# Altium PCB EVK-NORA-W40.PcbDoc (part 2 of 5)
Units mm, origin at the board's own origin, x right, y up, seen from the top; angles counter-clockwise.
Board outline 100 x 70 mm, 6 copper layers (L1, L2, L3, L4, L5, L6), stack 1.547 mm thick; 404 components, 228 nets, 1172 pads, 1349 vias.
Unrouted connection lines stored in the file: 69.
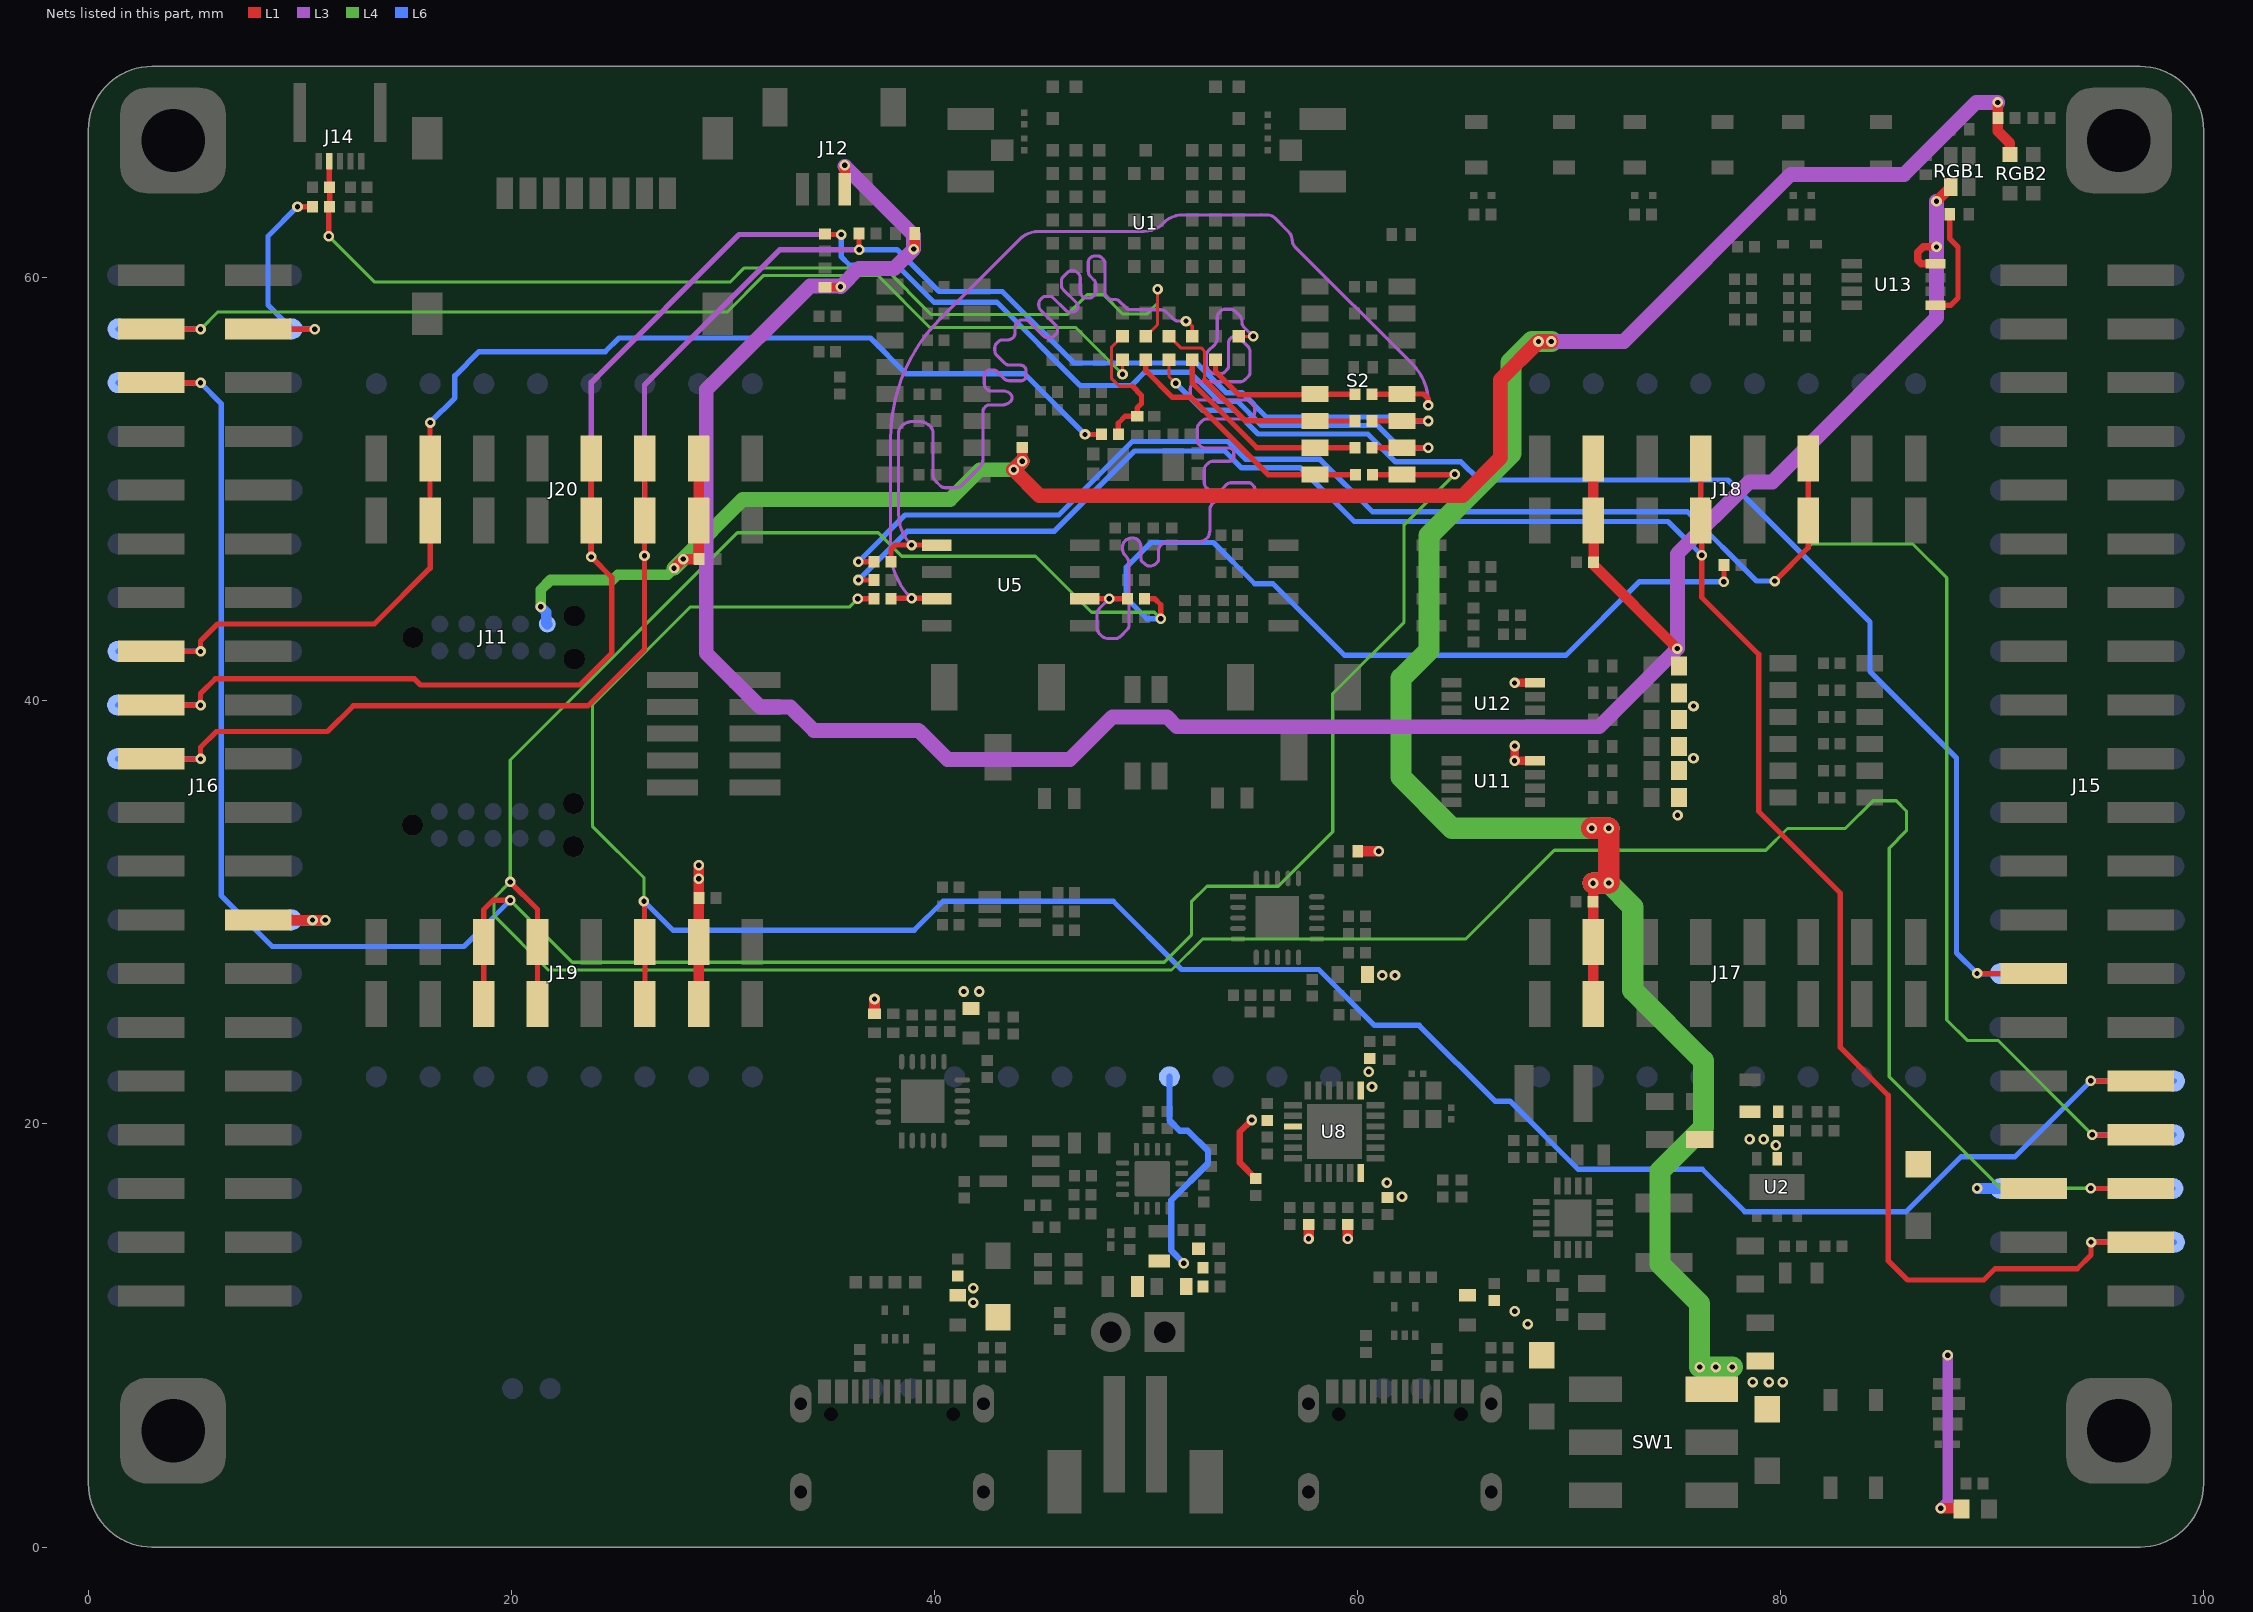
[diagram p6: the nets of this part, all layers, seen from the top]

## Footprints (in the part's own frame and the unit in brackets; to place one, negate y for a bottom-side part, rotate by r counter-clockwise, add the part's x,y. Pads: shape width x height; smd on the part's side, far side on the other; paste and mask are expansions set on the pad) (continued)
SKT-0.1P-SSM-108-L-SV [mm] "Con Socket Strip 0.1\" 8 Pin 1Row SMD, 20.32mm x 2.54mm"
  rect 1.02x2.19 smd: 1(-8.89,-1.465) 1(-8.89,1.465) 2(-6.35,-1.465) 2(-6.35,1.465) 3(-3.81,-1.465) 3(-3.81,1.465) 4(-1.27,1.465) 4(-1.27,-1.465) 5(1.27,1.465) 5(1.27,-1.465) 6(3.81,1.465) 6(3.81,-1.465) 7(6.35,-1.465) 7(6.35,1.465) 8(8.89,-1.465) 8(8.89,1.465)
  silkscreen extent -10.28,-2.25 10.28,1.4, body extent -10.16,-2.29 10.16,2.29, height 7.44
SM04B-SRSS-TB [mm] "CONN HEADER SMD R/A 4POS 1MM"
  rect 0.6x1.55 smd: 1(-1.5,3.875) 2(-0.5,3.875) 3(0.5,3.875) 4(1.5,3.875)
  rect 1.2x1.8 smd: M1(-2.8,0) M2(2.8,0)
  silkscreen extent -2.2,3.7 -2,3.9, body extent -3,-0.69 3,4.26, height 2.96
SOD-123F_U#1 [mm] "SOD-123F, Unidirectional, 2-Leads, Body 1.65x3.60mm, IPC High Density"
  rect 1.25x1.2 smd mask+0: A(1.45,0) C(-1.45,0)
  silkscreen extent -2.52,-0.95 1.43,0.95, body extent -1.45,-0.9 1.45,0.9, height 0.98
SOD-123F_U#2 [mm] "SOD-123F, Unidirectional, 2-Leads, Body 1.65x3.60mm, IPC High Density"
  rect 1.25x1.2 smd mask+0: A(1.45,0)
  rect 1.25x1.2 smd paste+0 mask+0: C(-1.45,0)
  silkscreen extent -2.52,-0.95 1.43,0.95, body extent -1.45,-0.9 1.45,0.9, height 0.98
SOD-923 [mm] "SOD-923, 2-Leads, Body 1.25x2.50mm, IPC High Density,"
  rect 0.36x0.35 smd mask+0.05: 1(-0.42,0) 2(0.42,0)
  silkscreen extent -0.75,-0.25 -0.75,0.25, body extent -0.4,-0.3 0.4,0.3, height 0.4
SODFL1608X65N [mm]
  rect 0.57x0.42 smd: 1(-0.775,0) 2(0.775,0)
  body extent -0.8,-0.4 0.8,0.4, height 0.65
SOIC-8W [mm] "SOIC, 8-Leads, Wide Body 5.28x5.28mm, Pitch 1.27mm, IPC High Density"
  rect 1.4x0.55 smd: 1(-3.5,1.905) 2(-3.5,0.635) 3(-3.5,-0.635) 4(-3.5,-1.905) 5(3.5,-1.905) 6(3.5,-0.635) 7(3.5,0.635) 8(3.5,1.905)
  silkscreen extent -3.62,-2.7 2.4,2.99, body extent -2.7,-2.7 2.7,2.7, height 2.16
SOP65P400X110-8N [mm]
  rect 0.95x0.45 smd: 1(-1.975,0.975) 2(-1.975,0.325) 3(-1.975,-0.325) 4(-1.975,-0.975) 5(1.975,-0.975) 6(1.975,-0.325) 7(1.975,0.325) 8(1.975,0.975)
  silkscreen extent -2.45,-1.5 1.15,1.55, body extent -2.01,-1.5 2.01,1.5, height 0.93
SOT65P210X110-6N [mm]
  rect 1.05x0.4 smd: 1(-0.95,0.65) 2(-0.95,0) 3(-0.95,-0.65) 4(0.95,-0.65) 5(0.95,0) 6(0.95,0.65)
  silkscreen extent -1.48,-1 0.08,1.2, body extent -1.05,-1 1.05,1, height 1.1
SOT-23-5_2 [mm] "SOT-23-5, 1.625mm x 2.9mm"
  rect 1.3x0.55 smd: 1(-1.25,0.95) 2(-1.25,0) 4(1.25,-0.95)
  rect 1.3x0.55 smd mask+0: 3(-1.25,-0.95) 5(1.25,0.95)
  silkscreen extent -1.71,1.39 -1.69,1.41, body extent -1.4,-1.45 1.4,1.45, height 1.45
SOT-553 [mm] "SOT-553, 5 lead 0.50mm pitch, 1.3mm x 1.7mm"
  rect 0.45x0.3 smd mask+0.05: 1(-0.675,0.5) 2(-0.675,0) 3(-0.675,-0.5) 4(0.675,-0.5) 5(0.675,0.5)
  silkscreen extent -0.92,-0.85 0.3,1.17, body extent -0.68,-0.85 0.67,0.85, height 0.6
SW_Slide_DPDT_JS202011SCQN [mm] "SWITCH SLIDE DPDT 300MA 6V SMD"
  rect 1.2x2.5 smd paste+0 mask+0: 1(-2.5,-2.75)
  rect 1.2x2.5 smd mask+0: 2(0,-2.75) 4(-2.5,2.75) 5(0,2.75)
  rect 1.2x2.5 smd: 3(2.5,-2.75) 6(2.5,2.75)
  silkscreen extent -4.5,-2.46 4.5,1.8, body extent -4.52,-3.75 4.52,3.75, height 5.5
TC2050-IDC-NL [mm] "CON PADS FOR CBL PLUG-OF-NAILS 10-PIN NO LEGS"
  round 0.8 smd paste-0.9: 1(0,0) 2(1.27,0) 3(2.54,0) 4(3.81,0) 5(5.08,0) 6(5.08,1.27) 7(3.81,1.27) 8(2.54,1.27) 9(1.27,1.27) 10(0,1.27)
  round 1 hole 1 paste-1.1: A(-1.27,0.635) B(6.35,-0.381) C(6.35,1.651)
  L1 pour cut-out: 0,1.27 5.08,1.27 5.08,0 0,0
TP10R#1 [mm] "Testpoint, Round 1.0mm Dia"
  round 1 smd paste-0.5: 1(0,0)
  silkscreen extent -0.7,-0.7 0.7,0.7, body extent -0.5,-0.5 0.5,0.5, height 0.05
TP10R#2 [mm] "Testpoint, Round 1.0mm Dia"
  round 1 smd paste-0.5: 1(0,0.025)
  silkscreen extent -0.7,-0.7 0.7,0.7, body extent -0.5,-0.5 0.5,0.5, height 0.05
TP10R#3 [mm] "Testpoint, Round 1.0mm Dia"
  round 1 smd paste-0.5: 1(0.012,-0.025)
  silkscreen extent -0.7,-0.7 0.7,0.7, body extent -0.5,-0.5 0.5,0.5, height 0.05
TP10R#4 [mm] "Testpoint, Round 1.0mm Dia"
  round 1 smd paste-0.5: 1(-0.032,0.025)
  silkscreen extent -0.7,-0.7 0.7,0.7, body extent -0.5,-0.5 0.5,0.5, height 0.05
TP10R#5 [mm] "Testpoint, Round 1.0mm Dia"
  round 1 smd paste-0.5: 1(0.024,-0.025)
  silkscreen extent -0.7,-0.7 0.7,0.7, body extent -0.5,-0.5 0.5,0.5, height 0.05
TP10R#6 [mm] "Testpoint, Round 1.0mm Dia"
  round 1 smd paste-0.5: 1(0.058,0.025)
  silkscreen extent -0.7,-0.7 0.7,0.7, body extent -0.5,-0.5 0.5,0.5, height 0.05
TP10R#7 [mm] "Testpoint, Round 1.0mm Dia"
  round 1 smd paste-0.5: 1(0.005,-0.025)
  silkscreen extent -0.7,-0.7 0.7,0.7, body extent -0.5,-0.5 0.5,0.5, height 0.05
TP10R#8 [mm] "Testpoint, Round 1.0mm Dia"
  round 1 smd paste-0.5: 1(0.034,-0.003)
  silkscreen extent -0.7,-0.7 0.7,0.7, body extent -0.5,-0.5 0.5,0.5, height 0.05
TP10R#9 [mm] "Testpoint, Round 1.0mm Dia"
  round 1 smd paste-0.5: 1(-0.064,0.025)
  silkscreen extent -0.7,-0.7 0.7,0.7, body extent -0.5,-0.5 0.5,0.5, height 0.05
TP10R#10 [mm] "Testpoint, Round 1.0mm Dia"
  round 1 smd paste-0.5: 1(-0.068,0.025)
  silkscreen extent -0.7,-0.7 0.7,0.7, body extent -0.5,-0.5 0.5,0.5, height 0.05
TP10R#11 [mm] "Testpoint, Round 1.0mm Dia"
  round 1 smd paste-0.5: 1(0.008,-0.054)
  silkscreen extent -0.7,-0.7 0.7,0.7, body extent -0.5,-0.5 0.5,0.5, height 0.05
TP10R#12 [mm] "Testpoint, Round 1.0mm Dia"
  round 1 smd paste-0.5: 1(-0.03,0)
  silkscreen extent -0.7,-0.7 0.7,0.7, body extent -0.5,-0.5 0.5,0.5, height 0.05
TP10R#13 [mm] "Testpoint, Round 1.0mm Dia"
  round 1 smd paste-0.5: 1(0.044,0.025)
  silkscreen extent -0.7,-0.7 0.7,0.7, body extent -0.5,-0.5 0.5,0.5, height 0.05
TP10R#14 [mm] "Testpoint, Round 1.0mm Dia"
  round 1 smd paste-0.5: 1(-0.025,0.025)
  silkscreen extent -0.7,-0.7 0.7,0.7, body extent -0.5,-0.5 0.5,0.5, height 0.05
TP10R#15 [mm] "Testpoint, Round 1.0mm Dia"
  round 1 smd paste-0.5: 1(0.034,0.003)
  silkscreen extent -0.7,-0.7 0.7,0.7, body extent -0.5,-0.5 0.5,0.5, height 0.05
TP10R#16 [mm] "Testpoint, Round 1.0mm Dia"
  round 1 smd paste-0.5: 1(0.005,0.025)
  silkscreen extent -0.7,-0.7 0.7,0.7, body extent -0.5,-0.5 0.5,0.5, height 0.05
TP10R#17 [mm] "Testpoint, Round 1.0mm Dia"
  round 1 smd paste-0.5: 1(-0.003,0.025)
  silkscreen extent -0.7,-0.7 0.7,0.7, body extent -0.5,-0.5 0.5,0.5, height 0.05
TP10R#18 [mm] "Testpoint, Round 1.0mm Dia"
  round 1 smd paste-0.5: 1(-0.017,-0.027)
  silkscreen extent -0.7,-0.7 0.7,0.7, body extent -0.5,-0.5 0.5,0.5, height 0.05
TP10R#19 [mm] "Testpoint, Round 1.0mm Dia"
  round 1 smd paste-0.5: 1(0.069,0.025)
  silkscreen extent -0.7,-0.7 0.7,0.7, body extent -0.5,-0.5 0.5,0.5, height 0.05
TP10R#20 [mm] "Testpoint, Round 1.0mm Dia"
  round 1 smd paste-0.5: 1(-0.001,-0.034)
  silkscreen extent -0.7,-0.7 0.7,0.7, body extent -0.5,-0.5 0.5,0.5, height 0.05
TP10R#21 [mm] "Testpoint, Round 1.0mm Dia"
  round 1 smd paste-0.5: 1(-0.025,0.045)
  silkscreen extent -0.7,-0.7 0.7,0.7, body extent -0.5,-0.5 0.5,0.5, height 0.05
TP10R#22 [mm] "Testpoint, Round 1.0mm Dia"
  round 1 smd paste-0.5: 1(-0.025,0)
  silkscreen extent -0.7,-0.7 0.7,0.7, body extent -0.5,-0.5 0.5,0.5, height 0.05
TP10R#23 [mm] "Testpoint, Round 1.0mm Dia"
  round 1 smd paste-0.5: 1(0.025,-0.034)
  silkscreen extent -0.7,-0.7 0.7,0.7, body extent -0.5,-0.5 0.5,0.5, height 0.05
TP10R#24 [mm] "Testpoint, Round 1.0mm Dia"
  round 1 smd paste-0.5: 1(-0.025,-0.004)
  silkscreen extent -0.7,-0.7 0.7,0.7, body extent -0.5,-0.5 0.5,0.5, height 0.05
TP10R#25 [mm] "Testpoint, Round 1.0mm Dia"
  round 1 smd paste-0.5: 1(0,-0.025)
  silkscreen extent -0.7,-0.7 0.7,0.7, body extent -0.5,-0.5 0.5,0.5, height 0.05
U.FL_3Pin [mm] "U.FL Coax Jack, 50 ohm, 3 Pins, 3mm x 3.1mm"
  rect 1x1.05 smd: 1(0,-1.5)
  rect 1.05x2.2 smd: 2(-1.475,0) 2(1.475,0)
  body extent -1.5,-1.55 1.5,1.55, height 1.24
USB4105-GF-A [mm] "USB-C (USB TYPE-C) USB 2.0 Receptacle Connector 24 (16+8 Dummy) Position Surface Mount, Right Angle; Through Hole"
  rrect10% 0.6x1.15 smd paste+0 mask+0: A1B12(-3.2,4.755) A4B9(-2.4,4.755) B1A12(3.2,4.755) B4A9(2.4,4.755)
  rrect10% 0.3x1.15 smd paste+0 mask+0.05: A5(-1.25,4.755) A6(-0.25,4.755) A7(0.25,4.755) A8(1.25,4.755) B5(1.75,4.755) B6(0.75,4.755) B7(-0.75,4.755) B8(-1.75,4.755)
  round 0 hole 0.65 unplated: MH1(-2.89,3.68) MH2(2.89,3.68)
  oval 1x1.8 hole 0.6 slot 1.4 at 90 deg paste+0 mask+0.05: SHLD(-4.32,0) SHLD(-4.32,4.18) SHLD(4.32,0) SHLD(4.32,4.18)
  silkscreen extent -4.5,1.1 4.5,3.1, body extent -4.47,-2.6 4.47,5.1, height 3.27
XTAL_2016_HD [mm] "Crystal, 4 lead, 2.0mm x 1.6mm, High Density"
  rect 0.85x0.75 smd: 1(-0.675,-0.525) 2(0.675,-0.525) 3(0.675,0.525) 4(-0.675,0.525)
  silkscreen extent -1.25,-1.05 -0.95,-0.75, body extent -1,-0.8 1,0.8, height 0.7
XTAL_3215 [mm] "XTAL, 2-Leads, Body 1.50x3.20mm"
  rect 1x1.55 smd: 1(-1.3,0) 2(1.3,0)
  silkscreen extent -1.7,0.98 -1.6,1.07, body extent -1.65,-0.8 1.65,0.8, height 0.9

## Part data
C1 C2: library part UBXH01-0004011, "CAP CER C0G 0402 5P6 +/-0.25P 25V", Manufacturer="Murata Manufacturing Company, Ltd.", Manufacturer P/N=GRM1555C1H5R6CZ01, Manufacturer P/N 2=GRM1555C1E5R6CZ01, Max Voltage=25V, Tolerance=+/-0.25P, Editor=roland.rust, Env=ROHS, Manufacturer 2="Murata Manufacturing Company, Ltd.", Mfg P/N Released=Obsolete, Mfg P/N Released 2=Obsolete, Mfg P/N Split=0, Mfg P/N Split 2=0, Mfg P/N Status=Obsolete, Mfg P/N Status 2=Obsolete, Part Number=UBXH01-0004011, Part Type=Capacitor, Perferred=PREF, Permitted Use="Volume Products", RefDes=C, Release Data=2007-10-22T12:46:36, Released by=roland.rust, Size=0402, UBX Wiki=https://wiki.u-blox.com/bin/view/Operations/PartDetails?index=5160
C3 C8: library part UBXH01-0012002, "CAP CER C0G 0201 1P5 +/-0.25P 25V", Manufacturer="Murata Manufacturing Company, Ltd.", Manufacturer P/N=GRM0335C1E1R5CA01, Manufacturer P/N 2=GRM0335C1E1R5C, Max Voltage=25V, Tolerance=+/-0.25P, Editor=roland.rust, Env=ROHS, Manufacturer 2="Murata Manufacturing Company, Ltd.", Mfg P/N Released=Yes, Mfg P/N Released 2=Obsolete, Mfg P/N Split=100, Mfg P/N Split 2=0, Mfg P/N Status=Active, Mfg P/N Status 2=Active, Part Number=UBXH01-0012002, Part Type=Capacitor, Perferred=PREF, Permitted Use="Volume Products", RefDes=C, Release Data=2009-03-23T10:34:14, Released by=roland.rust, Size=0201, UBX Wiki=https://wiki.u-blox.com/bin/view/Operations/PartDetails?index=5072
C4 C6 C14 C15 C20 C24 C30 C32 C36 C37 C39 C40 C41 C42 C48 C49 C50 C51 C52 C53 C54: library part 120-00016, "Cap, Ceramic 0.1uF 10V 10% X5R 0402", Manufacturer="Murata Electronics North America", Manufacturer 2=Yageo, Manufacturer P/N=GRM155R61A104KA01J, Manufacturer P/N 2=CC0402KRX5R6BB104, Part Name="CAP CER 0.1UF 10V 10% X5R 0402", Supplier Part Number 1=490-6297-1-ND, Temperature Coefficient=X5R, Tolerance="+/- 10%", Voltage=10V, Arena Link=https://app.bom.com/a/GYHPV2L2L43KRMBK?v=spec.summary, Component Mounting Type=SMT, Height=0.55mm, Item_Phase=Production, Part Number=120-00016, Part_Type="Ceramic Capacitor", Pins=2, Revision=0A, Size=0402, Supplier 1=Digi-Key, Supplier 2=Digi-Key, Supplier Part Number 2=311-1336-1-ND, Use in new designs=Yes
C5 C7 C21 C22 C23 C28 C31 C33 C38 C43: library part UBXH01-0000243, "CAP CER X5R 0402 4U7 20% 10V", Manufacturer="Murata Manufacturing Company, Ltd.", Manufacturer P/N=GRM155R61A475MEAA, Max Operating Temp=85°C, Max Voltage=10V, Min Operating Temp=-40°C, Tolerance=20%, Editor=martin.pilik, Env=GREEN, Mfg P/N Datasheet=https://wiki.u-blox.com/bin/view/Generic/Docs/DocumentSummary?index=24302, Mfg P/N Released=Yes, Mfg P/N Split=100, Mfg P/N Status=Active, Part Number=UBXH01-0000243, Part Type=Capacitor, Perferred=PREF, Permitted Use="Volume Products", RefDes=C, Released by=fabrice.bret-dibat, Size=0402, UBX Wiki=https://wiki.u-blox.com/bin/view/Operations/PartDetails?index=24303
  C5 C7 C31 C33 C38 C43: Release Data="2021-05-10 12:57:47.325652"
  C21 C22 C23 C28: Release Data=2021-05-10T12:57:47
C9 C25: library part UBXH01-2021002, "CAP CER X5R 0402 100N 10% 10V", Manufacturer="Murata Manufacturing Company, Ltd.", Manufacturer 2="Samsung Electro-Mechanics", Manufacturer P/N=GRM155R61A104KA01, Manufacturer P/N 2=CL05A104KP5NNN, Max Voltage=10V, Tolerance=10%, Editor=roland.rust, Env=GREEN, Mfg P/N Datasheet 2=https://wiki.u-blox.com/bin/view/Generic/Docs/DocumentSummary?index=28113, Mfg P/N Released=Yes, Mfg P/N Released 2=Yes, Mfg P/N Split=100, Mfg P/N Split 2=0, Mfg P/N Status=NRND, Mfg P/N Status 2=Active, Part Number=UBXH01-2021002, Part Type=Capacitor, Perferred=PREF, Permitted Use="Volume Products", RefDes=C, Release Data=2005-07-22T13:59:44, Released by=roland.rust, Size=0402, UBX Wiki=https://wiki.u-blox.com/bin/view/Operations/PartDetails?index=5759
C10 C11 C27: library part UBXH01-0004017, "CAP CER C0G 0402 18P 5% 25V", Manufacturer="Murata Manufacturing Company, Ltd.", Manufacturer P/N=GRM1555C1H180JA01, Manufacturer P/N 2=GRM1555C1E180JZ01, Manufacturer P/N 3=GRM1555C1H180JZ01, Max Operating Temp=125°C, Max Voltage=25V, Min Operating Temp=-55°C, Tolerance=5%, Editor=doris.zahnd, Env=ROHS, Manufacturer 2="Murata Manufacturing Company, Ltd.", Manufacturer 3="Murata Manufacturing Company, Ltd.", Mfg P/N Released=Yes, Mfg P/N Released 2=Yes, Mfg P/N Released 3=Yes, Mfg P/N Split=100, Mfg P/N Split 2=0, Mfg P/N Split 3=0, Mfg P/N Status=NRND, Mfg P/N Status 2=Obsolete, Mfg P/N Status 3=Obsolete, Part Number=UBXH01-0004017, Part Type=Capacitor, Perferred=PREF, Permitted Use="Volume Products", RefDes=C, Release Data=2009-12-03T17:48:42, Released by=daniel.hurni, Size=0402, UBX Wiki=https://wiki.u-blox.com/bin/view/Operations/PartDetails?index=5178
C12 C13: library part UBXH01-0000310, "CAP CER X7R 0603 10U 20% 10V", Manufacturer="Murata Manufacturing Company, Ltd.", Manufacturer P/N=GRM188Z71A106MA73, Manufacturer P/N 2=GRM188Z71A106KA73, Max Operating Temp=125°C, Max Voltage=10V, Min Operating Temp=-55°C, Tolerance=20%, Editor=michael.hein, Env=ROHS, Manufacturer 2="Murata Manufacturing Company, Ltd.", Mfg P/N Datasheet=https://wiki.u-blox.com/bin/view/Generic/Docs/DocumentSummary?index=26282, Mfg P/N Datasheet 2=https://wiki.u-blox.com/bin/view/Generic/Docs/DocumentSummary?index=28416, Mfg P/N Released=Yes, Mfg P/N Released 2=Yes, Mfg P/N Split=100, Mfg P/N Split 2=0, Mfg P/N Status=Active, Mfg P/N Status 2=Active, Part Number=UBXH01-0000310, Part Type=Capacitor, Perferred=PREF, Permitted Use="Volume Products", RefDes=C, Release Data=2017-02-09T11:14:05, Released by=martin.grasse, Size=0603, UBX Wiki=https://wiki.u-blox.com/bin/view/Operations/PartDetails?index=26280
C16: library part UBXH01-3001005, "CAP CER X5R 1210 22U 10% 25V", Manufacturer="Murata Manufacturing Company, Ltd.", Manufacturer P/N=GRM32ER61E226KE15, Max Voltage=25V, Tolerance=10%, Editor=roland.rust, Env=ROHS, Mfg P/N Released=Yes, Mfg P/N Split=100, Mfg P/N Status=NRND, Part Number=UBXH01-3001005, Part Type=Capacitor, Perferred=PREF, Permitted Use="Volume Products", RefDes=C, Release Data=2009-04-24T15:51:56, Released by=roland.rust, Size=1210, UBX Wiki=https://wiki.u-blox.com/bin/view/Operations/PartDetails?index=5780
C17: library part UBXH01-3001004, "CAP CER X5R 1210 10U 10% 25V", Manufacturer="Murata Manufacturing Company, Ltd.", Manufacturer P/N=GRM32DR61E106KA12, Max Voltage=25V, Tolerance=10%, Editor=andreas.thiel, Env=ROHS, Mfg P/N Datasheet=https://wiki.u-blox.com/bin/view/Generic/Docs/DocumentSummary?index=8644, Mfg P/N Released=Yes, Mfg P/N Split=100, Mfg P/N Status=NRND, Part Number=UBXH01-3001004, Part Type=Capacitor, Perferred=NONPREF, Permitted Use="Volume Products", RefDes=C, Release Data=2010-04-01T16:00:35, Released by=johann.furrer, Size=1210, UBX Wiki=https://wiki.u-blox.com/bin/view/Operations/PartDetails?index=5778
C18: library part UBXH01-0000204, "CAP CER X5R 0402 100N 10% 50V", Manufacturer="Murata Manufacturing Company, Ltd.", Manufacturer P/N=GRM155R61H104KE14D, Max Voltage=50V, Tolerance=10%, Editor=matej.budin, Env=ROHS, Mfg P/N Datasheet=https://wiki.u-blox.com/bin/view/Generic/Docs/DocumentSummary?index=22969, Mfg P/N Released=Yes, Mfg P/N Split=100, Mfg P/N Status=Active, Part Number=UBXH01-0000204, Part Type=Capacitor, Perferred=PREF, Permitted Use="Support Products", RefDes=C, Release Data=2015-08-06T11:12:34, Released by=erian.bezhani, Size=0402, UBX Wiki=https://wiki.u-blox.com/bin/view/Operations/PartDetails?index=22967
C19: library part UBXH01-0023019, "CAP CER X7R 0402 3N3 10% 16V", Manufacturer="Murata Manufacturing Company, Ltd.", Manufacturer P/N=GRM155R71H332KA01, Max Voltage=16V, Tolerance=10%, Editor=dario.antonaz, Env=ROHS, Mfg P/N Datasheet=https://wiki.u-blox.com/bin/view/Generic/Docs/DocumentSummary?index=19430, Mfg P/N Released=Yes, Mfg P/N Split=100, Mfg P/N Status=NRND, Part Number=UBXH01-0023019, Part Type=Capacitor, Perferred=PREF, Permitted Use="Volume Products", RefDes=C, Release Data=2013-08-21T12:21:41, Released by=pierpaolo.arban, Size=0402, UBX Wiki=https://wiki.u-blox.com/bin/view/Operations/PartDetails?index=5479
C26: library part UBXH01-0004024, "CAP CER C0G 0402 68P 5% 25V", Manufacturer="Murata Manufacturing Company, Ltd.", Manufacturer P/N=GRM1555C1H680JA01, Manufacturer P/N 2=GRM1555C1E680F, Manufacturer P/N 3=GRM1555C1H680F, Max Voltage=25V, Tolerance=5%, Editor=martin.frauchiger, Env=ROHS, Manufacturer 2="Murata Manufacturing Company, Ltd.", Manufacturer 3="Murata Manufacturing Company, Ltd.", Mfg P/N Datasheet=https://wiki.u-blox.com/bin/view/Generic/Docs/DocumentSummary?index=19268, Mfg P/N Released=Yes, Mfg P/N Released 2=Yes, Mfg P/N Released 3=Yes, Mfg P/N Split=100, Mfg P/N Split 2=0, Mfg P/N Split 3=0, Mfg P/N Status=NRND, Mfg P/N Status 2=NRND, Mfg P/N Status 3=NRND, Part Number=UBXH01-0004024, Part Type=Capacitor, Perferred=PREF, Permitted Use="Volume Products", RefDes=C, Release Data=2005-09-01T15:36:53, Released by=martin.frauchiger, Size=0402, UBX Wiki=https://wiki.u-blox.com/bin/view/Operations/PartDetails?index=5199
C29: library part UBXH01-0023025, "CAP CER X7R 0402 10N 10% 16V", Manufacturer="Murata Manufacturing Company, Ltd.", Manufacturer 2="Samsung Electro-Mechanics", Manufacturer P/N=GRM155R71C103KA01, Manufacturer P/N 2=CL05B103KO5NNNC, Max Operating Temp=125°C, Max Voltage=16V, Min Operating Temp=-55°C, Tolerance=10%, Editor=roland.rust, Env=ROHS, Mfg P/N Datasheet 2=https://wiki.u-blox.com/bin/view/Generic/Docs/DocumentSummary?index=28567, Mfg P/N Released=Yes, Mfg P/N Released 2=Yes, Mfg P/N Split=100, Mfg P/N Split 2=0, Mfg P/N Status=NRND, Mfg P/N Status 2=Active, Part Number=UBXH01-0023025, Part Type=Capacitor, Perferred=PREF, Permitted Use="Volume Products", RefDes=C, Release Data=2021-02-16T13:14:11, Released by=anthony.gergis, Size=0402, UBX Wiki=https://wiki.u-blox.com/bin/view/Operations/PartDetails?index=5491
C34 C35: library part UBXH01-0000594, "CAP CER C0G 0402 300P 50V", Manufacturer="Murata Manufacturing Company, Ltd.", Manufacturer P/N=GRM1555C1H301JA01D, Max Operating Temp=125°C, Max Voltage=50V, Min Operating Temp=-55°C, Editor=eric.moog, Env=ROHS, Mfg P/N Released=No, Mfg P/N Split=100, Mfg P/N Status=Active, Part Number=UBXH01-0000594, Part Type=Capacitor, Perferred=PREF, Permitted Use="Volume Products", RefDes=C, Size=0402, UBX Wiki=https://wiki.u-blox.com/bin/view/Operations/PartDetails?index=38856
C44 C45 C55 C56: library part UBXH01-0000248, "CAP CER X5R 0402 1U 10% 10V", Manufacturer="Murata Manufacturing Company, Ltd.", Manufacturer 2="TDK Corporation", Manufacturer 3="Samsung Electro-Mechanics", Manufacturer P/N=GRM155R61C105KA12, Manufacturer P/N 2=C1005X5R1E105K050BC, Manufacturer P/N 3=CL05A105KA5NQNC, Max Operating Temp=85°C, Max Voltage=10V, Min Operating Temp=-40°C, Tolerance=10%, Editor=michael.hein, Env=ROHS, Mfg P/N Datasheet=https://wiki.u-blox.com/bin/view/Generic/Docs/DocumentSummary?index=29581, Mfg P/N Datasheet 2=https://wiki.u-blox.com/bin/view/Generic/Docs/DocumentSummary?index=28058, Mfg P/N Datasheet 3=https://wiki.u-blox.com/bin/view/Generic/Docs/DocumentSummary?index=28056, Mfg P/N Released=Yes, Mfg P/N Released 2=Yes, Mfg P/N Released 3=Yes, Mfg P/N Split=100, Mfg P/N Split 2=0, Mfg P/N Split 3=0, Mfg P/N Status=Active, Mfg P/N Status 2=Active, Mfg P/N Status 3=Active, Part Number=UBXH01-0000248, Part Type=Capacitor, Perferred=PREF, Permitted Use="Volume Products", RefDes=C, Release Data=2016-03-16T11:26:35, Released by=igor.shevchenko, Size=0402, UBX Wiki=https://wiki.u-blox.com/bin/view/Operations/PartDetails?index=24378
C46 C47: library part UBXH01-0013002, "CAP CER C0G 0201 8P2 +/-0.5P 25V", Manufacturer="Murata Manufacturing Company, Ltd.", Manufacturer P/N=GRM0335C1E8R2DA01, Manufacturer P/N 2=GRM0335C1E8R2D, Max Voltage=25V, Tolerance=+/-0.5P, Editor=roland.rust, Env=ROHS, Manufacturer 2="Murata Manufacturing Company, Ltd.", Mfg P/N Released=Yes, Mfg P/N Released 2=Obsolete, Mfg P/N Split=100, Mfg P/N Split 2=0, Mfg P/N Status=Active, Mfg P/N Status 2=Active, Part Number=UBXH01-0013002, Part Type=Capacitor, Perferred=PREF, Permitted Use="Volume Products", RefDes=C, Release Data=2009-03-23T10:34:14, Released by=roland.rust, Size=0201, UBX Wiki=https://wiki.u-blox.com/bin/view/Operations/PartDetails?index=5090
D2 D3 D6 D21: "Diode, Schottky, 20V 1A SOD-123F, 340mV Vf @ 1A / MBR120VLSFT3G", Current=1A, Manufacturer 1="ON Semiconductor", Manufacturer 2=None, Manufacturer Part Number 1=MBR120VLSFT3G, Max Operating Temp=125, MFG Package=SOD-123FL, Min Operating Temp=-65, Part Name="Diode Schottky 20V 1A SOD-123FL", Supplier Part Number 1=MBR120VLSFT3GOSCT-ND, Voltage=20V, Body Size=None, Height=0.98mm, Item Phase="In Production", Manufacturer Part Number 2=None, Part Number=110-00005, Pins=2, Revision=0B, Supplier 1=Digi-Key, Supplier 2=None, Supplier Part Number 2=None, UBX Code=None, Use in new designs=Yes
D4 D7: "LOW-CAPACITANCE 3-CHANNEL ESD-PROTECTION ARRAY", Manufacturer="Texas Instruments", Manufacturer P/N=TPD3E001DRLR, MFG Package=SOT-553, Package Type=SOT, Part Name="TVS Diode, 3CH High Speed ESD", Supplier Part Number 1=296-21885-1-ND, Voltage=5V, Arena Link=https://app.bom.com/a/UCV39GZGZIHX50AE?v=spec.summary, Body Size="1.6mm x 1.2mm", Component Mounting Type=SMT, Diode Type=TVS, Height=.55mm, Item_Phase=Production, Part Number=110-00018, Part_Type=Diode, Pins=5, Revision=0A, Supplier 1=Digi-Key, Use in new designs=Yes
D5: "IDEAL DIODE OR CONTROLLER SOURCE SELECTOR SWITCH P-CHANNEL 1:1 SOT-23-5 5.5V 1A", Current=1.0A, Manufacturer=Maxim, Manufacturer P/N=MAX40203AUK+T, Max Current=1A, Max Voltage=5.5V, MFG Package=SOT-23-5, Part Name="IC IDEAL DIODE LDO 1.2-5.5V 1.0A SOT-23-5", Supplier Part Number 1=175-MAX40203AUK+TTR-ND, Body Size="2.8mm x 2.9mm", Component Mounting Type=SMT, Editor=eric.moog, Env=ROHS, Height=1.25, HelpURL=https://datasheets.maximintegrated.com/en/ds/MAX40203.pdf, Item_Phase=Preliminary, Manufacturer 1=Maxim, Manufacturer Part Number 1=MAX40203AUK+T, Mfg P/N Datasheet=https://wiki.u-blox.com/bin/view/Generic/Docs/DocumentSummary?index=38598, Mfg P/N Released=No, Mfg P/N Split=100, Mfg P/N Status=Active, Package Type=SOT-23-5, Part Number=UBXH12-0000539, Part Type=PMIC, Part_Type="Ideal Diode", Perferred=N/A, Permitted Use="Support Products", Pins=5, RefDes=U, SMT Pitch=0.95mm, Supplier 1=Digi-Key, UBX Wiki=https://wiki.u-blox.com/bin/view/Operations/PartDetails?index=38597, Use in new designs=Yes, Voltage=5.5V
D8: "LED", Manufacturer_Name=Lite-On, Mouser Part Number=859-LTST-C195KGJRKT, Arrow Part Number=LTST-C195KGJRKT, Arrow Price/Stock=https://www.arrow.com/en/products/ltst-c195kgjrkt/lite-on-technology?region=nac, Datasheet Link=https://mm.digikey.com/Volume0/opasdata/d220001/medias/docus/1134/LTST-C195KGJRKT.pdf, Height=0.65mm, Manufacturer_Part_Number=LTST-C195KGJRKT, Mouser Price/Stock=https://www.mouser.co.uk/ProductDetail/Lite-On/LTST-C195KGJRKT?qs=ohURClPaJWCkP7ius%252BRMYA%3D%3D
D9 D10 D11 D12: "ESD9B3.3ST5G", Manufacturer="ON Semiconductor", MFG Package=SOD-923, Package Type=SOD, Part Name="Diode TVS 3.3V SOD-923", Supplier Part Number 1=ESD9B3.3ST5GOSCT-ND, Voltage=3.3V, Arena Link=https://app.bom.com/a/4M5DJQ9Q9SR7DV4H?v=spec.summary, Body Size="0.8mm x 0.6mm", Component Mounting Type=SMT, Diode Type=TVS, Height=0.4mm, Item_Phase=Preliminary, Manufacturer P/N=ESD9B3.3ST5G, Part Number=110-00019, Part_Type=Diode, Pins=2, Supplier 1=Digi-Key, Use in new designs=Yes
D13 D15 D18 D19: "LED SMD 0603 GREEN 2.5V 20mA", Manufacturer=Kingbright, Manufacturer 2="Lite-on Technology Corporation", Manufacturer P/N=APT1608SGC, Manufacturer P/N 2=LTST-C190KGKT, Max Current=20mA, Max Voltage=2.5V, Editor=gianni.falleroni, Env=ROHS, Mfg P/N Datasheet=https://wiki.u-blox.com/bin/view/Generic/Docs/DocumentSummary?index=37527, Mfg P/N Datasheet 2=https://wiki.u-blox.com/bin/view/Generic/Docs/DocumentSummary?index=16220, Mfg P/N Released=Yes, Mfg P/N Released 2=Yes, Mfg P/N Split=50, Mfg P/N Split 2=50, Mfg P/N Status=Active, Mfg P/N Status 2=Active, Part Number=UBXH11-0000001, Part Type=LED, Perferred=N/A, Permitted Use="Support Products", RefDes=DS, Release Data=2022-09-27T14:26:54, Released by=alex.claville, Size=0603, UBX Wiki=https://wiki.u-blox.com/bin/view/Operations/PartDetails?index=7902
D14 D16 D17: "DIODE LED SMT YELLOW CLEAR LENS 2.1V 10MA 0603 YELLOW", Manufacturer="Lite-on Technology Corporation", Manufacturer P/N=LTST-C190YKT, Max Operating Temp=85°C, Min Operating Temp=-55°C, Editor=eric.moog, Env=GREEN, Mfg P/N Datasheet=https://wiki.u-blox.com/bin/view/Generic/Docs/DocumentSummary?index=38122, Mfg P/N Released=No, Mfg P/N Split=100, Mfg P/N Status=Active, Part Number=UBXH11-0000057, Part Type=LED, Perferred=N/A, Permitted Use="Volume Products", RefDes=DS, Size=0603, UBX Wiki=https://wiki.u-blox.com/bin/view/Operations/PartDetails?index=38120
D20: "Diode", Manufacturer_Name="Diodes Incorporated", Mouser Part Number=621-1N4148WTQ-7, Arrow Part Number=1N4148WTQ-7, Arrow Price/Stock=https://www.arrow.com/en/products/1n4148wtq-7/diodes-incorporated?region=europe, Datasheet Link=https://datasheet.datasheetarchive.com/originals/distributors/Datasheets_SAMA/6cd1b04b95e93ddd69dba57393c402aa.pdf, Height=0.65mm, Manufacturer_Part_Number=1N4148WTQ-7, Mouser Price/Stock=https://www.mouser.co.uk/ProductDetail/Diodes-Incorporated/1N4148WTQ-7?qs=vdQOMtKMWaCrKb90MkA6xQ%3D%3D
F1 F2 F3 F4 F5: "FERRITE BEAD 0603 600 OHM AT 100MHZ 600OHM 500mA", Manufacturer="TDK Corporation", Manufacturer P/N=MMZ1608B601C, Max Current=500mA, Max Operating Temp=125°C, Min Operating Temp=-40°C, Editor=daniel.hurni, Env=ROHS, Mfg P/N Datasheet=https://wiki.u-blox.com/bin/view/Generic/Docs/DocumentSummary?index=7941, Mfg P/N Released=Yes, Mfg P/N Split=100, Mfg P/N Status=Active, Part Number=UBXH08-0000001, Part Type=Ferrite, Perferred=PREF, Permitted Use="Support Products", RefDes=FB, Release Data=2009-12-02T10:18:36, Released by=martin.frauchiger, Size=0603, UBX Wiki=https://wiki.u-blox.com/bin/view/Operations/PartDetails?index=7960
FID1 FID2 FID3 FID4 FID5 FID6: library part FIDUCIAL.04, "Fiducial, 0.040\" inner Dia, 0.075\" outer Dia", Added By="Jeremy D", Added Date=2/1/2015, Checked By="Paul B", Checked Date=2/5/2015, DNP=DNP, Height=0, Part Number=FIDUCIAL.04, Size="0.040\""
J1 J2: "U.FL jack, SMA 50 ohm, 3 pin, SMT", Manufacturer 1="Hirose Electric Co Ltd", Manufacturer 2="Dongguan Qintai Electronics Co, Ltd.", Manufacturer Part Number 1=U.FL-R-SMT(10), Manufacturer Part Number 2=MHF-RT-1, Max Operating Temp=90, Min Operating Temp=-40, Part Name="CON RF UMC U.FL Jack 3Pin SMT", Supplier Part Number 1=H9161CT-ND, Voltage=None, Diameter=None, Height=1.25mm, Item Phase="In Production", Part Number=130-00067, Pins=3, Revision=0A, Supplier 1=Digi-Key, Supplier 2="Rayson Technology co., ltd", Supplier Part Number 2=MHF-RT-1, UBX Code=UBXH04-0001026, Use in new designs=Yes
J3 J4: "1-ROW SMD CONN 100MIL GRID 3 -PIN 100V 3A", Manufacturer=HARWiN, Manufacturer P/N=M20-8770342, Max Current=3A, Max Operating Temp=105°C, Max Voltage=100V, Min Operating Temp=-40°C, Editor=eric.moog, Env=ROHS, Mfg P/N Datasheet=https://wiki.u-blox.com/bin/view/Generic/Docs/DocumentSummary?index=28457, Mfg P/N Released=No, Mfg P/N Split=100, Mfg P/N Status=Active, Part Number=UBXH04-0000792, Part Type=Connector, Perferred=N/A, Permitted Use="Support Products", RefDes=J, UBX Wiki=https://wiki.u-blox.com/bin/view/Operations/PartDetails?index=38569
J5 J6: library part UBXH04-0000785, "CONN RCP USB2.0 TYP C 24P SMD RA 20V 6.25A", Manufacturer=GCT, Manufacturer 2=None, Max Current=6.25A, Max Operating Temp=85°C, Max Voltage=20V, Min Operating Temp=-40°C, Voltage="<20V DC", Body Size="7.3mm x 8.9mm", Editor=eric.moog, Env=ROHS, Height=3.31mm, Item Phase=Unreleased, Manufacturer 1=GCT, Manufacturer P/N=USB4105-GF-A, Manufacturer Part Number 1=USB4105-GF-A, Manufacturer Part Number 2=None, Mfg P/N Datasheet=https://wiki.u-blox.com/bin/view/Generic/Docs/DocumentSummary?index=38208, Mfg P/N Released=No, Mfg P/N Split=100, Mfg P/N Status=Active, Part Number=UBXH04-0000785, Part Type=Connector, Perferred=PREF, Permitted Use="Support Products", Pins=8, RefDes=J, Revision=None, Size=Other, SMT Pitch=0.5mm, Supplier 2=None, Supplier Part Number 2=None, UBX Code=None, UBX Wiki=https://wiki.u-blox.com/bin/view/Operations/PartDetails?index=38207, Use in new designs=Yes
J7: "CONN 1-ROW SMT 2.0MM GRID 2-PIN VERT 100V 2A", Manufacturer=JST, Manufacturer 2=None, Manufacturer P/N=B2B-PH-SM4-TB, Max Current=2A, Max Operating Temp=85°C, Max Voltage=100V, Min Operating Temp=-30°C, Part Name="Conn, SMT, 0.079\" Pitch, 2 Pin, Vert, Black", Diameter=None, Editor=eric.moog, Env=ROHS, Height=6.5mm, Item Phase="In Production", Manufacturer Part Number 1=B2B-PH-SM4-TB, Manufacturer Part Number 2=None, Mfg P/N Datasheet=https://wiki.u-blox.com/bin/view/Generic/Docs/DocumentSummary?index=35463, Mfg P/N Released=No, Mfg P/N Split=100, Mfg P/N Status=Active, Part Number=UBXH04-0000791, Part Type=Connector, Perferred=N/A, Permitted Use="Support Products", Pins=2, RefDes=J, Revision=0A, Supplier 1=None, Supplier 2=None, Supplier Part Number 1=None, Supplier Part Number 2=None, UBX Code=None, UBX Wiki=https://wiki.u-blox.com/bin/view/Operations/PartDetails?index=38567, Use in new designs=Yes, Voltage=None
J8: "1-ROW TH-PCB SOCKETS 100MIL GRID 2-PIN 0.64MM SQUARE POLARIZE", Manufacturer=HARWiN, Manufacturer P/N=M20-9990245, Editor=roland.rust, Env=ROHS, Mfg P/N Released=Yes, Mfg P/N Split=100, Mfg P/N Status=Active, Part Number=UBXH04-0000026, Part Type=Connector, Perferred=PREF, Permitted Use="Internal Use", RefDes=J, Release Data=2015-06-04T16:45:09, Released by=alvaro.nussbaum, UBX Wiki=https://wiki.u-blox.com/bin/view/Operations/PartDetails?index=10937
J9: "Header 0.05\" 10Pin 2Row SMD Black", Color=Black, Manufacturer=Samtec, Manufacturer P/N=FTSH-105-01-F-DV-K, Part Name="CON HDR 0.05\" 10Pin 2Row SMD Black", Supplier Part Number 1=SAM8796-ND, Arena Link=https://app.bom.com/a/5N6EKRARATS7TSHL?v=spec.summary, Component Mounting Type=SMT, Connector Type=Header, Height=6mm, Item_Phase=Pre-Production, Keyed=Yes, Length=12.75mm, Locking=No, Part Number=130-00099, Part_Type=Connector, Pin Pitch="0.050\"", Pins=10, Revision=1, Rows=2, Supplier 1=Digi-Key, Use in new designs=Yes, Width=4.78
J10 J11: library part TC2050-IDC-NL, "CON PADS FOR CBL PLUG-OF-NAILS 10-PIN NO LEGS", Manufacturer="TAG Connect", Added By="Paul B", Added Date=12/3/2015, DNP=DNP, Height=0, Manufacturer P/N=TC2050-IDC-NL, Part Number=TC2050-IDC-NL, Size="6.1mm x 9.9mm"
J12: "CONN JST SH SERIES SMT 4 POS MALE 1MM RA 50V 1A", Manufacturer=JST, Manufacturer 1="JST Sales America Inc.", Manufacturer 2=None, Manufacturer P/N=SM04B-SRSS-TB, Manufacturer Part Number 1=SM04B-SRSS-TB(LF)(SN), Max Current=1A, Max Operating Temp=85°C, Max Voltage=50V, Min Operating Temp=-30°C, Part Name="CONN HEADER SMD R/A 4POS 1MM", Diameter=None, Editor=eric.moog, Env=ROHS, Height=2.9mm, Item Phase="In Production", Manufacturer Part Number 2=None, Mfg P/N Datasheet=https://wiki.u-blox.com/bin/view/Generic/Docs/DocumentSummary?index=4533, Mfg P/N Released=No, Mfg P/N Split=100, Mfg P/N Status=Active, Part Number=UBXH04-0000797, Part Type=Connector, Perferred=PREF, Permitted Use="Support Products", Pins=4, RefDes=J, Revision=0A, Supplier 1=None, Supplier 2=None, Supplier Part Number 1=None, Supplier Part Number 2=None, UBX Code=None, UBX Wiki=https://wiki.u-blox.com/bin/view/Operations/PartDetails?index=38779, Use in new designs=Yes, Voltage=None
J13: "Micro SD Card Socket, Right Angle, with 4 Ground Pads, SMT", Manufacturer 1="Molex Inc", Manufacturer 2=None, Manufacturer Part Number 1=0472192001, Part Name="CON Micro SD 1.1mm 8Pin 1Row SMT RA", Supplier Part Number 1=WM6698CT-ND, Diameter=None, Height=1.9mm, Item Phase="In Production", Manufacturer Part Number 2=None, Max Operating Temp=None, Min Operating Temp=None, Part Number=130-00062, Pins=8, Revision=0A, Supplier 1=Digi-Key, Supplier 2=None, Supplier Part Number 2=None, UBX Code=None, Use in new designs=Yes, Voltage=None
J14: "0.50MM PITCH SMD RA FFC FPC CONN 5 -PIN 50V 400mA", Color=White, Manufacturer=AVX, Manufacturer 1="KYOCERA AVX", Manufacturer P/N=046284005001846, Max Current=400mA, Max Operating Temp=85°C, Max Voltage=50V, Min Operating Temp=-40°C, Part Name="CON FFC/FPC 0.50mm 5Pos R/A", Component Mounting Type=SMT, Connector Type=FPC, Editor=eric.moog, Env=ROHS, Height=1.3mm, Item_Phase=Preliminary, Keyed=No, Length=4.05mm, Locking=No, Manufacturer Part Number 1=046284005001846, Mfg P/N Datasheet=https://wiki.u-blox.com/bin/view/Generic/Docs/DocumentSummary?index=38862, Mfg P/N Released=No, Mfg P/N Split=100, Mfg P/N Status=Active, Part Number=UBXH04-0000798, Part Type=Connector, Part_Type=Connector, Perferred=PREF, Permitted Use="Support Products", Pin Pitch=0.5mm, Pins=5, RefDes=J, Rows=1, UBX Wiki=https://wiki.u-blox.com/bin/view/Operations/PartDetails?index=38822, Use in new designs=Yes, Voltage=50V, Width=4.4mm
J15 J16: library part M20-8762042, "Connector", Manufacturer_Name=Amphenol, Height=10.01mm, Manufacturer_Part_Number=95157-440LF
  J16: Mouser Price/Stock=https://www.mouser.co.uk/ProductDetail/Harwin/M20-8762042?qs=vF78I%252BjhbY%2F5WnwPzhFszw%3D%3D
J17 J18 J19 J20: "Socket Strip 0.1\" 8 Pin 1Row SMD Black", Manufacturer 1=Samtec, Manufacturer 2="Sullins Connector Solutions", Manufacturer Part Number 1=SSM-108-F-SV-P-TR, Manufacturer Part Number 2=NPPC081KFXC-RC, Max Operating Temp=105, Min Operating Temp=-55, Part Name="CON SKT Strip 0.1\" 8Pin 1Row SMD Black", Voltage=572VDC, Diameter=None, Height=7.37mm, Item Phase="In Production", Part Number=130-00102, Pins=8, Revision=0D, Supplier 1=Avnet, Supplier 2=Digi-Key, Supplier Part Number 1=SSM-108-F-SV-P-TR, Supplier Part Number 2=S5639-ND, UBX Code=None, Use in new designs=Yes
L1 L2: library part UBXH09-0000030, "IND MURATA LQP03T_02 0201 1N5 +/-0.1N 600mA", Manufacturer="Murata Manufacturing Company, Ltd.", Manufacturer P/N=LQP03TN1N5B02, Max Current=600mA, Tolerance=+/-0.1N, Editor=massimo.pros, Env=ROHS, Mfg P/N Datasheet=https://wiki.u-blox.com/bin/view/Generic/Docs/DocumentSummary?index=11499, Mfg P/N Released=Yes, Mfg P/N Split=100, Mfg P/N Status=Active, Part Number=UBXH09-0000030, Part Type=Inductor, Perferred=PREF, Permitted Use="Volume Products", RefDes=L, Release Data=2011-06-21T11:29:10, Released by=massimo.vlacci, Size=0201, UBX Wiki=https://wiki.u-blox.com/bin/view/Operations/PartDetails?index=13044
L3: library part UBXH09-0000330, "IND TAIYOYUDEN MCHK1608T 2U2 20% 1.5A", Manufacturer="Taiyo Yuden Company, Ltd.", Manufacturer P/N=MCHK1608T2R2MKN, Manufacturer P/N 2=LSCNB1608HKT2R2MD, Manufacturer P/N 3=LLCNB1608HKT2R2MD, Max Current=1.5A, Max Operating Temp=125°C, Min Operating Temp=-40°C, Tolerance=20%, Editor=martin.grasse, Env=ROHS, Manufacturer 2="Taiyo Yuden Company, Ltd.", Manufacturer 3="Taiyo Yuden Company, Ltd.", Mfg P/N Datasheet=https://wiki.u-blox.com/bin/view/Generic/Docs/DocumentSummary?index=32940, Mfg P/N Datasheet 2=https://wiki.u-blox.com/bin/view/Generic/Docs/DocumentSummary?index=39018, Mfg P/N Datasheet 3=https://wiki.u-blox.com/bin/view/Generic/Docs/DocumentSummary?index=39017, Mfg P/N Released=Yes, Mfg P/N Released 2=Yes, Mfg P/N Released 3=Yes, Mfg P/N Split=100, Mfg P/N Split 2=0, Mfg P/N Split 3=0, Mfg P/N Status=Active, Mfg P/N Status 2=Active, Mfg P/N Status 3=Active, Part Number=UBXH09-0000330, Part Type=Inductor, Perferred=PREF, Permitted Use="Volume Products", RefDes=L, Release Data=2021-01-25T16:52:34, Released by=igor.shevchenko, Size=0x0y, UBX Wiki=https://wiki.u-blox.com/bin/view/Operations/PartDetails?index=32938
R1 R2 R3 R9 R11 R14 R17 R21 R25 R33 R63 R64 R75 R76 R87 R88 R89 R90 R91 R92 R95 R96 R97 R99 R106 R108 R109 R110: library part UBXH18-0003002, "RES THICK FILM CHIP 0402 0R 0 100mW", Manufacturer=KOA, Manufacturer 2=YAGEO, Manufacturer P/N=RK73Z1ETTD, Manufacturer P/N 2=2322_705_91001_L, Max Power=100mW, Tolerance=0, Editor=charlotte.biber, Env=ROHS, Mfg P/N Released=Yes, Mfg P/N Released 2=Yes, Mfg P/N Split=100, Mfg P/N Split 2=0, Mfg P/N Status=NRND, Part Number=UBXH18-0003002, Part Type=Resistor, Perferred=PREF, Permitted Use="Volume Products", RefDes=R, Released by=peter.mueller, Size=0402, UBX Wiki=https://wiki.u-blox.com/bin/view/Operations/PartDetails?index=6611
  R1 R2 R3 R21 R25 R63 R64 R75 R76 R87 R88 R89 R90 R91 R92 R95 R96 R97 R99 R106 R108 R109 R110: Mfg P/N Status 2=NRND, Release Data="2012-06-05 09:49:55.978616"
  R9 R11 R14 R17 R33: Mfg P/N Status 2=Obsolete, Release Data=2012-06-05T09:49:55
R4 R5 R7 R8 R12 R13 R15 R16 R18 R19 R20 R22 R23 R24 R27 R28 R30 R32 R43 R44 R57 R59 R60 R61 R62 R65 R66 R67 R68 R69 R72 R73 R74 R77 R78 R79 R80 R81 R82 R83 R84 R85 R86 R93 R94 R111 R112 R117 R118 R119 R123 R135 R136 R138 R140 R141 R143 R146 R147: library part UBXH18-0003002, "RES THICK FILM CHIP 0402 0R 0 100mW", Manufacturer=KOA, Manufacturer 2=YAGEO, Manufacturer P/N=RK73Z1ETTP, Manufacturer P/N 2=2322_705_91001_L, Max Power=100mW, Tolerance=0, Editor=charlotte.biber, Env=ROHS, Mfg P/N Released=Yes, Mfg P/N Released 2=Yes, Mfg P/N Split=100, Mfg P/N Split 2=0, Mfg P/N Status=NRND, Mfg P/N Status 2=NRND, Part Number=UBXH18-0003002, Part Type=Resistor, Perferred=PREF, Permitted Use="Volume Products", RefDes=R, Release Data="2012-06-05 09:49:55.978616", Released by=peter.mueller, Size=0402, UBX Wiki=https://wiki.u-blox.com/bin/view/Operations/PartDetails?index=6611
R6 R10 R26 R45 R50: library part UBXH18-0003001, "RES THICK FILM CHIP 0603 0R 0 100mW", Manufacturer=YAGEO, Manufacturer P/N=RC0603JR-070RL, Max Power=100mW, Tolerance=0, Editor=martin.frauchiger, Env=ROHS, Mfg P/N Released=Yes, Mfg P/N Split=100, Mfg P/N Status=Active, Part Number=UBXH18-0003001, Part Type=Resistor, Perferred=PREF, Permitted Use="Volume Products", RefDes=R, Release Data=2005-07-14T10:55:51, Released by=martin.frauchiger, Size=0603, UBX Wiki=https://wiki.u-blox.com/bin/view/Operations/PartDetails?index=6609
R29 R36 R37 R41 R148: library part UBXH18-0000000, "RES THICK FILM CHIP 0805 0R015 1% 330mW", Manufacturer="KOA Speer Electronics, Inc.", Manufacturer P/N=RK73Z2ATTDD, Max Operating Temp=155°C, Max Power=330mW, Min Operating Temp=-40°C, Tolerance=1%, Editor=roland.rust, Env=ROHS, Mfg P/N Released=No, Mfg P/N Split=100, Mfg P/N Status=Active, Part Type=Resistor, Perferred=PREF, Permitted Use="Internal Use", RefDes=R, Release Data=2009-12-08T13:02:51, Released by=frank.felbier, Size=0805
R31: library part UBXH18-0000138, "RES THICK FILM CHIP 0402 8K2 1% 63mW", Manufacturer=Vishay, Manufacturer P/N=CRCW04028K20FKED, Max Operating Temp=125°C, Max Power=63mW, Min Operating Temp=-55°C, Tolerance=1%, Editor=matej.budin, Env=ROHS, Mfg P/N Datasheet=https://wiki.u-blox.com/bin/view/Generic/Docs/DocumentSummary?index=21077, Mfg P/N Released=Yes, Mfg P/N Split=100, Mfg P/N Status=Active, Part Number=UBXH18-0000138, Part Type=Resistor, Perferred=PREF, Permitted Use="Support Products", RefDes=R, Release Data=2014-08-26T11:33:33, Released by=pasquale.scorca, Size=0402, UBX Wiki=https://wiki.u-blox.com/bin/view/Operations/PartDetails?index=21078
R34 R35 R51 R52 R98 R116 R120 R145: library part UBXH18-0000065, "RES THICK FILM CHIP 0402 10K 1% 63mW", Manufacturer=KOA, Manufacturer P/N=RK73H1ETTP1002F, Max Power=63mW, Tolerance=1%, Editor=erian.bezhani, Env=ROHS, Mfg P/N Datasheet=https://wiki.u-blox.com/bin/view/Generic/Docs/DocumentSummary?index=8222, Mfg P/N Released=Yes, Mfg P/N Split=100, Mfg P/N Status=Active, Part Number=UBXH18-0000065, Part Type=Resistor, Perferred=PREF, Permitted Use="Volume Products", RefDes=R, Released by=massimo.vlacci, Size=0402, UBX Wiki=https://wiki.u-blox.com/bin/view/Operations/PartDetails?index=16837
  R34 R35 R98 R116 R120 R145: Release Data="2012-06-08 18:02:21.521517"
  R51 R52: Release Data=2012-06-08T18:02:21
R38 R39 R46 R47: library part UBXH18-0008066, "RES THICK FILM CHIP 0402 5K1 5% 100mW", Manufacturer=Panasonic, Manufacturer P/N=ERJ-2GEJ512X, Max Power=100mW, Tolerance=5%, Editor=alvaro.nussbaum, Env=ROHS, Mfg P/N Released=No, Mfg P/N Split=100, Mfg P/N Status=Active, Part Number=UBXH18-0008066, Part Type=Resistor, Perferred=NONPREF, Permitted Use="Internal Use", RefDes=R, Release Data=2016-02-11T15:22:01, Released by=roland.rust, Size=0402, UBX Wiki=https://wiki.u-blox.com/bin/view/Operations/PartDetails?index=6972